# Altium PCB Scaffold.PcbDoc (part 1 of 3) (continued)
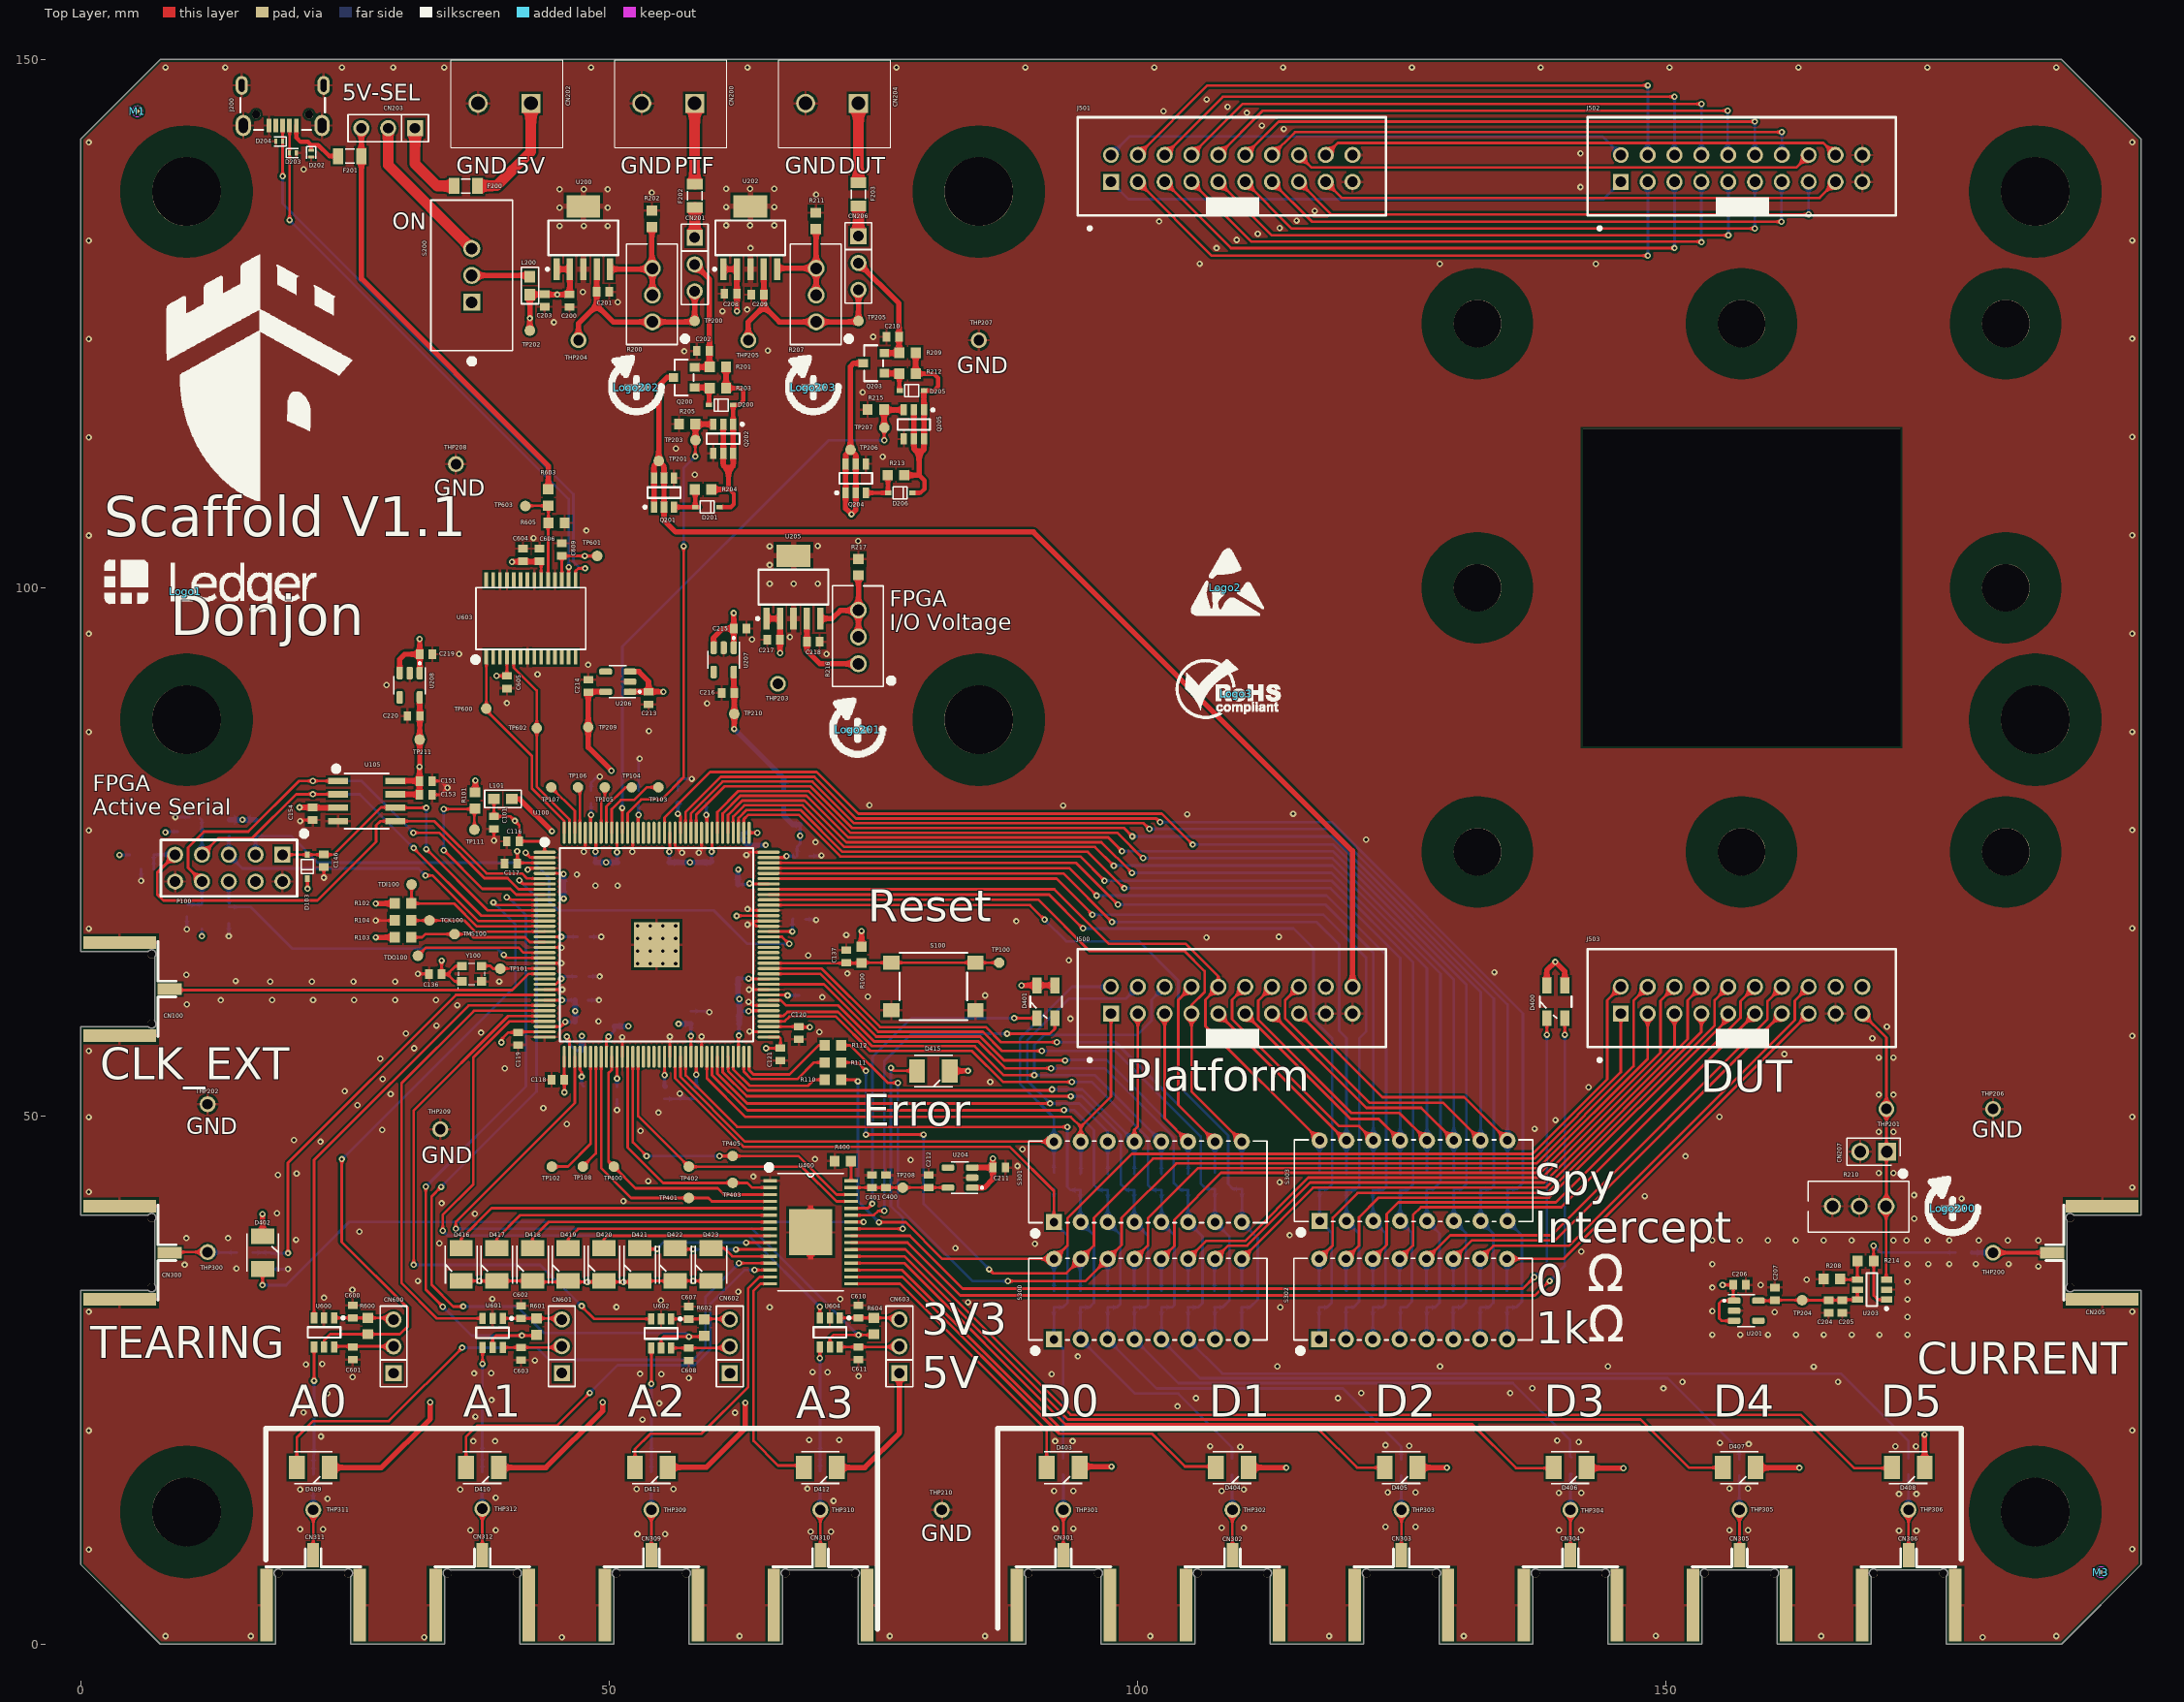
[diagram p0: Top Layer view]
## Components (designator, comment, footprint, x,y, rotation, side; value= is the part's Value field where it differs from the comment) (continued)
R315 "0 Ohm" RES0603 173,16.8 r270 bottom
R316 "1K" RES0603 109.9,32.65 r90 bottom
R317 "10KOhm" RES0603 109.9,43.85 r90 bottom
R318 "1K" RES0603 107.3,32.65 r90 bottom
R319 "10KOhm" RES0603 107.35,43.85 r90 bottom
R320 "1K" RES0603 104.8,32.65 r90 bottom
R321 "10KOhm" RES0603 104.8,43.75 r90 bottom
R322 "1K" RES0603 102.3,32.65 r90 bottom
R323 "10KOhm" RES0603 102.3,43.75 r90 bottom
R326 "1K" RES0603 124.9,32.65 r90 bottom
R327 "10KOhm" RES0603 124.9,43.75 r90 bottom
R330 "1K" RES0603 122.3,32.65 r90 bottom
R331 "10KOhm" RES0603 122.3,43.75 r90 bottom
R332 "1K" RES0603 119.8,32.65 r90 bottom
R333 "10KOhm" RES0603 119.8,43.75 r90 bottom
R334 "1K" RES0603 117.2,32.65 r90 bottom
R335 "10KOhm" RES0603 117.2,43.85 r90 bottom
R336 "0 Ohm" RES0603 53.975,15.5 r270 bottom
R337 "0 Ohm" RES0603 69.975,15.6 r270 bottom
R338 "10KOhm" RES0603 54.775,18 r180 bottom
R339 "10KOhm" RES0603 70.775,18 r180 bottom
R340 "1K" RES0603 135,32.65 r90 bottom
R341 "10KOhm" RES0603 135,43.85 r90 bottom
R342 "1K" RES0603 132.5,32.65 r90 bottom
R343 "10KOhm" RES0603 132.5,43.85 r90 bottom
R344 "0 Ohm" RES0603 22,15.3 r270 bottom
R345 "0 Ohm" RES0603 37.975,15.5 r270 bottom
R346 "1K" RES0603 129.9,32.65 r90 bottom
R347 "10KOhm" RES0603 129.96,43.85 r90 bottom
R348 "10KOhm" RES0603 22.8,17.9 r180 bottom
R349 "10KOhm" RES0603 38.775,18 r180 bottom
R350 "1K" RES0603 127.4,32.65 r90 bottom
R351 "10KOhm" RES0603 127.4,43.85 r90 bottom
R400 "4.75 KOhm" RES0603 72.125,45.725 r180 top
R600 "10KOhm" RES0603 27.175,30.1 r90 top
R601 "10KOhm" RES0603 43.15,30.05 r90 top
R602 "10KOhm" RES0603 59.025,29.95 r90 top
R603 "4.75 KOhm" RES0603 44.25,108.55 r90 top
R604 "10KOhm" RES0603 75.05,30.1 r90 top
R605 "10KOhm" RES0603 45.025,106.125 r180 top
S100 "Misc - Button - WURTH 430152080826" 430152080826 80.7,62.25 r0 top locked
S200 "30VDC - 4A" SWITCH_25136NAH 37,129.56 r180 top
S300 "Misc - DIP switch - 8 rows - TE connectivity - 1825057-7 -ADE0804" SWDIP16_300X3.51 101,32.649 r90 top
S301 "Misc - DIP switch - 8 rows - TE connectivity - 1825057-7 -ADE0804" SWDIP16_300X3.51 101,43.75 r90 top
S302 "Misc - DIP switch - 8 rows - TE connectivity - 1825057-7 -ADE0804" SWDIP16_300X3.51 126.1,32.649 r90 top
S303 "Misc - DIP switch - 8 rows - TE connectivity - 1825057-7 -ADE0804" SWDIP16_300X3.51 126.15,43.86 r90 top
TCK100 "Value" TP_001 33,68.5 r180 top
TDI100 "Value" TP_001 31.304,71.9 r180 top
TDO100 "Value" TP_001 31.9,65.15 r180 top
THP200 "Misc - Test pin - Through hole - Millmax - 6821-0-00-15-00-00-08-0" MILLMAX_6821-0-00-15-00-00-08-0 181,37.05 r90 top
THP201 "Misc - Test pin - Through hole - Millmax - 6821-0-00-15-00-00-08-0" MILLMAX_6821-0-00-15-00-00-08-0 170.91,50.65 r90 top
THP202 "Misc - Test pin - Through hole - Millmax - 6821-0-00-15-00-00-08-0" MILLMAX_6821-0-00-15-00-00-08-0 12,51.1 r90 top
THP203 "Misc - Test pin - Through hole - Millmax - 6821-0-00-15-00-00-08-0" MILLMAX_6821-0-00-15-00-00-08-0 65.975,90.9 r180 top
THP204 "Misc - Test pin - Through hole - Millmax - 6821-0-00-15-00-00-08-0" MILLMAX_6821-0-00-15-00-00-08-0 47.1,123.425 r270 top
THP205 "Misc - Test pin - Through hole - Millmax - 6821-0-00-15-00-00-08-0" MILLMAX_6821-0-00-15-00-00-08-0 63.175,123.425 r270 top
THP206 "Misc - Test pin - Through hole - Millmax - 6821-0-00-15-00-00-08-0" MILLMAX_6821-0-00-15-00-00-08-0 181,50.65 r270 top
THP207 "Misc - Test pin - Through hole - Millmax - 6821-0-00-15-00-00-08-0" MILLMAX_6821-0-00-15-00-00-08-0 85,123.425 r270 top
THP208 "Misc - Test pin - Through hole - Millmax - 6821-0-00-15-00-00-08-0" MILLMAX_6821-0-00-15-00-00-08-0 35.5,111.7 r270 top
THP209 "Misc - Test pin - Through hole - Millmax - 6821-0-00-15-00-00-08-0" MILLMAX_6821-0-00-15-00-00-08-0 34.025,48.725 r270 top
THP210 "Misc - Test pin - Through hole - Millmax - 6821-0-00-15-00-00-08-0" MILLMAX_6821-0-00-15-00-00-08-0 81.5,12.7 r270 top
THP300 "Misc - Test pin - Through hole - Millmax - 6821-0-00-15-00-00-08-0" MILLMAX_6821-0-00-15-00-00-08-0 12,37.1 r90 top
THP301 "Misc - Test pin - Through hole - Millmax - 6821-0-00-15-00-00-08-0" MILLMAX_6821-0-00-15-00-00-08-0 93,12.7 r90 top
THP302 "Misc - Test pin - Through hole - Millmax - 6821-0-00-15-00-00-08-0" MILLMAX_6821-0-00-15-00-00-08-0 109,12.7 r90 top
THP303 "Misc - Test pin - Through hole - Millmax - 6821-0-00-15-00-00-08-0" MILLMAX_6821-0-00-15-00-00-08-0 125,12.7 r90 top
THP304 "Misc - Test pin - Through hole - Millmax - 6821-0-00-15-00-00-08-0" MILLMAX_6821-0-00-15-00-00-08-0 141,12.7 r90 top
THP305 "Misc - Test pin - Through hole - Millmax - 6821-0-00-15-00-00-08-0" MILLMAX_6821-0-00-15-00-00-08-0 157,12.7 r90 top
THP306 "Misc - Test pin - Through hole - Millmax - 6821-0-00-15-00-00-08-0" MILLMAX_6821-0-00-15-00-00-08-0 173,12.7 r90 top
THP309 "Misc - Test pin - Through hole - Millmax - 6821-0-00-15-00-00-08-0" MILLMAX_6821-0-00-15-00-00-08-0 54,12.7 r90 top
THP310 "Misc - Test pin - Through hole - Millmax - 6821-0-00-15-00-00-08-0" MILLMAX_6821-0-00-15-00-00-08-0 70,12.7 r90 top
THP311 "Misc - Test pin - Through hole - Millmax - 6821-0-00-15-00-00-08-0" MILLMAX_6821-0-00-15-00-00-08-0 22,12.7 r90 top
THP312 "Misc - Test pin - Through hole - Millmax - 6821-0-00-15-00-00-08-0" MILLMAX_6821-0-00-15-00-00-08-0 38,12.8 r180 top
TMS100 "Value" TP_001 35.375,67.2 r180 top
TP100 "Value" TP_001 86.925,64.5 r90 top
TP101 "Value" TP_001 39.7,63.925 r90 top
TP102 "Value" TP_001 44.575,45.2 r90 top
TP103 "Value" TP_001 54.68,81.1 r90 top
TP104 "Value" TP_001 52.14,81.1 r90 top
TP105 "Value" TP_001 49.6,81.1 r90 top
TP106 "Value" TP_001 47.06,81.1 r90 top
TP107 "Value" TP_001 44.52,81.1 r90 top
TP108 "Value" TP_001 47.512,45.2 r90 top
TP111 "Value" TP_001 37.25,77.1 r90 top
TP200 "Value" TP_001 58.1,125.25 r180 top
TP201 "Value" TP_001 54.7,112 r0 top
TP202 "Value" TP_001 42.5,124.341 r0 top
TP203 "Value" TP_001 58.175,113.975 r270 top
TP204 "Value" TP_001 162.934,32.553 r270 top
TP205 "Value" TP_001 73.6,125.25 r180 top
TP206 "Value" TP_001 72.85,113.05 r0 top
TP207 "Value" TP_001 76.05,115.15 r0 top
TP208 "Value" TP_001 77.8,43.2 r180 top
TP209 "Value" TP_001 48.025,86.8 r180 top
TP210 "Value" TP_001 61.847,88.05 r180 top
TP211 "Value" TP_001 32.075,85.617 r180 top
TP400 "Value" TP_001 50.45,45.2 r90 top
TP401 "Value" TP_001 57.55,42.225 r90 top
TP402 "Value" TP_001 57.55,45.2 r90 top
TP403 "Value" TP_001 61.7,43.65 r90 top
TP405 "Value" TP_001 61.7,46.2 r90 top
TP600 "Value" TP_001 38.375,88.55 r270 top
TP601 "Value" TP_001 48.875,103 r270 top
TP602 "Value" TP_001 43.15,86.7 r270 top
TP603 "Value" TP_001 42.075,107.725 r270 top
U100 "FPGA - 1.2V - Altera - EP4CE22E22C6" EQFP144_M 54.5,66.2 r0 top locked
U105 "EPCS168N" 8-SOIC-M 27.05,79.8 r0 top
U200 "TL1963A" SOT223-6 47.56,133.125 r90 top locked value=ADJ
U201 "LDK130_33" SOT95P280X145-5L30 157.635,31.55 r270 top value=3.3V
U202 "TL1963A" SOT223-6 63.375,133.125 r90 top locked value=ADJ
U203 "ADA4895-1" SOT95P280X145-6N 169.535,33.55 r180 top
U204 "LDK130_33" SOT95P280X145-5L30 83.225,44.15 r90 top value=3.3V
U205 "TL1963A" SOT223-6 67.45,100.047 r90 top value=ADJ
U206 "LDK130_12" SOT95P280X145-5L30 50.825,91.1 r90 top value=1.2V
U207 "LDK130_25" SOT95P280X145-5L30 60.85,93.166 r180 top value=2.5V
U208 "LDK130_33" SOT95P280X145-5L30 31.125,90.766 r180 top value=3.3V
U400 "LED Driver - TLC5952" HTSSOP32 69.077,38.975 r0 top
U600 "#NAME?" SOT95P280X145-6N 23.025,29.5 r270 top
U601 "#NAME?" SOT95P280X145-6N 38.975,29.45 r270 top
U602 "#NAME?" SOT95P280X145-6N 54.925,29.4 r270 top
U603 "IC - USB-to-UART 1-CH 256Byte FIFO - 5V - 28-Pin SSOP" SSOP28DB 42.6,97.087 r0 top
U604 "#NAME?" SOT95P280X145-6N 70.9,29.5 r270 top
Y100 "Oscillator - 25MHz - 3.3V - HCMOS - ECS-2520S33-250-FN-TR" XTAL_2520 37,63.45 r180 top

## Footprints (in the part's own frame and the unit in brackets; to place one, negate y for a bottom-side part, rotate by r counter-clockwise, add the part's x,y. Pads: shape width x height; smd on the part's side, far side on the other; paste and mask are expansions set on the pad)
8-SOIC-M [mil]
  rect 75x24 smd paste+0 mask+0: 1(-106.5,75) 2(-106.5,25) 3(-106.5,-25) 4(-106.5,-75) 5(106.5,-75) 6(106.5,-25) 7(106.5,25) 8(106.5,75)
  silkscreen extent -123,-103 84,130, body extent -118,-96 118,96, height 69
0603 [mm] "Chip Capacitor; Body 1.6 x 0.8 mm (LxW typ)"
  rect 1.1x1 smd: 1(-0.85,0) 2(0.85,0)
  silkscreen extent -1.73,-0.82 1.73,0.82, body extent -0.8,-0.4 0.8,0.4, height 0.3
430152080826 [mm] "SMD Tact Switch, body 6x6mm"
  rect 1.55x1.3 smd: 1(-3.975,2.25) 2(-3.975,-2.25) 3(3.975,2.25) 4(3.975,-2.25)
  silkscreen extent -3.2,-3.2 3.2,3.2, body extent -4.5,-3.1 4.5,3.1, height 8.03
629105150521 [mm] "Micro USB 2.0 SMT Type B Horizontal 5 Contacts High Current"
  rect 0.45x1.3 smd: 1(-1.3,2.9) 2(-0.65,2.9) 3(0,2.9) 4(0.65,2.9) 5(1.3,2.9)
  round 0.8 hole 0.8 unplated: MH1(-2.5,1.85) MH2(2.5,1.85)
  oval 1.45x2 hole 0.85 slot 1.4 at 90 deg: Z1(-3.725,2.9) Z2(3.725,2.9)
  oval 1.15x1.8 hole 0.55 slot 1.2 at 90 deg: Z3(3.875,-0.9) Z4(-3.875,-0.9)
  silkscreen extent -4,0.3 4,3.3, body extent -4,-3.3 4,3.3, height 2.75
CAP0603 [mil] "Chip Capacitor, 2-Leads, Body 1.6x0.8mm, IPC Medium Density"
  rect 28x36 smd: 1(-23.5,0) 2(23.5,0)
  Top Layer pour cut-out: -10,20 10,20 10,-20 -10,-20
  body extent -33,-18 34,18, height 36
EQFP144_M [mm] "Thin QFP, 144-Leads, Body 20x20mm, Pitch 0.5mm, IPC Low Density"
  oval 2.1x0.3 smd: 1(-10.6,8.75) 2(-10.6,8.25) 3(-10.6,7.75) 4(-10.6,7.25) 5(-10.6,6.75) 6(-10.6,6.25) 7(-10.6,5.75) 8(-10.6,5.25) 9(-10.6,4.75) 10(-10.6,4.25) 11(-10.6,3.75) 12(-10.6,3.25) 13(-10.6,2.75) 14(-10.6,2.25) 15(-10.6,1.75) 16(-10.6,1.25) 17(-10.6,0.75) 18(-10.6,0.25) 19(-10.6,-0.25) 20(-10.6,-0.75) 21(-10.6,-1.25) 22(-10.6,-1.75) 23(-10.6,-2.25) 24(-10.6,-2.75) 25(-10.6,-3.25) 26(-10.6,-3.75) 27(-10.6,-4.25) 28(-10.6,-4.75) 29(-10.6,-5.25) 30(-10.6,-5.75) 31(-10.6,-6.25) 32(-10.6,-6.75) 33(-10.6,-7.25) 34(-10.6,-7.75) 35(-10.6,-8.25) 36(-10.6,-8.75) 73(10.6,-8.75) 74(10.6,-8.25) 75(10.6,-7.75) 76(10.6,-7.25) 77(10.6,-6.75) 78(10.6,-6.25) 79(10.6,-5.75) 80(10.6,-5.25) 81(10.6,-4.75) 82(10.6,-4.25) 83(10.6,-3.75) 84(10.6,-3.25) 85(10.6,-2.75) 86(10.6,-2.25) 87(10.6,-1.75) 88(10.6,-1.25) 89(10.6,-0.75) 90(10.6,-0.25) 91(10.6,0.25) 92(10.6,0.75) 93(10.6,1.25) 94(10.6,1.75) 95(10.6,2.25) 96(10.6,2.75) 97(10.6,3.25) 98(10.6,3.75) 99(10.6,4.25) 100(10.6,4.75) 101(10.6,5.25) 102(10.6,5.75) 103(10.6,6.25) 104(10.6,6.75) 105(10.6,7.25) 106(10.6,7.75) 107(10.6,8.25) 108(10.6,8.75)
  oval 0.3x2.1 smd: 37(-8.75,-10.6) 38(-8.25,-10.6) 39(-7.75,-10.6) 40(-7.25,-10.6) 41(-6.75,-10.6) 42(-6.25,-10.6) 43(-5.75,-10.6) 44(-5.25,-10.6) 45(-4.75,-10.6) 46(-4.25,-10.6) 47(-3.75,-10.6) 48(-3.25,-10.6) 49(-2.75,-10.6) 50(-2.25,-10.6) 51(-1.75,-10.6) 52(-1.25,-10.6) 53(-0.75,-10.6) 54(-0.25,-10.6) 55(0.25,-10.6) 56(0.75,-10.6) 57(1.25,-10.6) 58(1.75,-10.6) 59(2.25,-10.6) 60(2.75,-10.6) 61(3.25,-10.6) 62(3.75,-10.6) 63(4.25,-10.6) 64(4.75,-10.6) 65(5.25,-10.6) 66(5.75,-10.6) 67(6.25,-10.6) 68(6.75,-10.6) 69(7.25,-10.6) 70(7.75,-10.6) 71(8.25,-10.6) 72(8.75,-10.6) 109(8.75,10.6) 110(8.25,10.6) 111(7.75,10.6) 112(7.25,10.6) 113(6.75,10.6) 114(6.25,10.6) 115(5.75,10.6) 116(5.25,10.6) 117(4.75,10.6) 118(4.25,10.6) 119(3.75,10.6) 120(3.25,10.6) 121(2.75,10.6) 122(2.25,10.6) 123(1.75,10.6) 124(1.25,10.6) 125(0.75,10.6) 126(0.25,10.6) 127(-0.25,10.6) 128(-0.75,10.6) 129(-1.25,10.6) 130(-1.75,10.6) 131(-2.25,10.6) 132(-2.75,10.6) 133(-3.25,10.6) 134(-3.75,10.6) 135(-4.25,10.6) 136(-4.75,10.6) 137(-5.25,10.6) 138(-5.75,10.6) 139(-6.25,10.6) 140(-6.75,10.6) 141(-7.25,10.6) 142(-7.75,10.6) 143(-8.25,10.6) 144(-8.75,10.6)
  rect 4.3x4.3 smd: 145(0,0)
  silkscreen extent -10.85,-9.15 9.15,9.96, body extent -11,-11 11,11, height 1.65
FUSE_0805 [mm]
  rect 1x1.5 smd paste-0.15: 1(-1.1,0) 2(1.1,0)
  silkscreen extent -0.44,-0.68 0.44,0.68, body extent -1.06,-0.68 1.09,0.67, height 0.67
HTSSOP32 [mil]
  rect 50x12 smd: 1(-150.5,191.93) 2(-150.5,166.34) 3(-150.5,140.75) 4(-150.5,115.16) 5(-150.5,89.57) 6(-150.5,63.98) 7(-150.5,38.39) 8(-150.5,12.8) 9(-150.5,-12.8) 10(-150.5,-38.39) 11(-150.5,-63.98) 12(-150.5,-89.57) 13(-150.5,-115.16) 14(-150.5,-140.75) 15(-150.5,-166.34) 16(-150.5,-191.93) 17(150.5,-191.93) 18(150.5,-166.34) 19(150.5,-140.75) 20(150.5,-115.16) 21(150.5,-89.57) 22(150.5,-63.98) 23(150.5,-38.39) 24(150.5,-12.8) 25(150.5,12.8) 26(150.5,38.39) 27(150.5,63.98) 28(150.5,89.57) 29(150.5,115.16) 30(150.5,140.75) 31(150.5,166.34) 32(150.5,191.93)
  rect 161.81x171.65 smd: 33(0,0)
  Top Layer region: 13.78,-85.83 -13.78,-85.83 -13.78,-89.76 -9.84,-89.76 -9.84,-100.39 9.84,-100.39 9.84,-89.76 13.78,-89.76
  Top Layer region: 13.78,85.83 -13.78,85.83 -13.78,89.76 -9.84,89.76 -9.84,100.39 9.84,100.39 9.84,89.76 13.78,89.76
  silkscreen extent -165,-218 122,252, body extent -164,-219 164,219, height 67
KINGBRIGHT_AA3528 [mm]
  rect 1.5x2.2 smd: 1(-1.55,0) 2(1.55,0)
  silkscreen extent -1.8,-1.5 1.8,1.5, body extent -1.75,-1.4 1.75,1.4, height 1.9
"LOGO ESD" [mm]
  silkscreen extent -3.23,-2.59 3.66,3.68
"Logo ROHS" [mm]
  silkscreen extent -5.71,-2.31 4.22,3.28
LOGO_CLOCKWISE_INCREASE [mm]
  silkscreen extent -2.64,-2.6 2.69,3.04
"logo_Ledger_new - Horizontale" [mm]
  silkscreen extent -7.67,-1.89 12.37,3.04
MILLMAX_6821-0-00-15-00-00-08-0 [mm]
  round 1.5 hole 1 paste+0: 1(0,0)
  body extent -0.89,-0.89 0.89,0.89, height 8.13
MIRE [mm]
  round 0.4 smd paste-0.25 mask+0.05: 1(0,0)
  Top Layer keep-out circle w0.1: c0,0 r0.5
MOLEX_90120-0122 [mm] "Header, Vertical, 2.54 mm pitch; 0.65 mm lead width, 2 pins, 1 row, 2 pins per row, 5.08 mm L X 2.54 mm W X 8.50 mm H body"
  rect 1.68x1.68 hole 1.12 paste-1.68: 1(0,0)
  round 1.68 hole 1.12 paste-1.68: 2(2.54,0)
  silkscreen extent -1.27,-1.27 3.81,1.27, body extent -1.27,-1.25 3.81,1.25, height 9.29
MOLEX_90120-0123 [mil] "Header, Vertical Receptacle, 2.54 mm pitch; 0.25 mm lead width, 3 pins, 1 row, 3 pins per row, 7.62 mm L X 2.54 mm W X 8.50 mm H body"
  rect 60x60 hole 39.37: 1(-100,0)
  round 60 hole 39.37: 2(0,0) 3(100,0)
  silkscreen extent -150,-50 150,50, body extent -150,-49 150,49, height 366
PLCC-4_3528 [mm] "SMD Bi-color TOP LED, body 3.2x2.8mm"
  rect 1.5x0.9 smd: 1(1.55,0.85) 2(1.55,-0.85) 3(-1.55,0.85) 4(-1.55,-0.85)
  silkscreen extent -1.6,-1.5 0.5,1.5, body extent -1.75,-1.4 1.75,1.4, height 1.9
POT_3296W [mm]
  round 1.6 hole 1.1: 1(-2.54,0.01) 2(0,0.01) 3(2.54,0.01)
  silkscreen extent -4.69,-3.33 4.84,2.46, body extent -4.7,-2.35 4.83,2.47, height 11.67
RES0603 [mm] "Chip Resistor, 2-Leads, Body 1.6x0.8mm, IPC Medium Density"
  rect 0.95x1 smd: 1(-0.775,0) 2(0.775,0)
  Top Layer pour cut-out: -0.254,0.508 0.254,0.508 0.254,-0.508 -0.254,-0.508
  body extent -0.8,-0.4 0.8,0.4, height 0.45
SAMTEC_HTSS-110-01-G-D [mil]
  rect 59.06x59.06 hole 39.37: 1(0,0)
  round 59.06 hole 39.37: 2(0,100) 15(700,0) 16(700,100)
  round 60 hole 39.37: 3(100,0) 4(100,100) 5(200,0) 6(200,100) 7(300,0) 8(300,100) 9(400,0) 10(400,100) 11(500,0) 12(500,100) 13(600,0) 14(600,100) 17(800,0) 18(800,100) 19(900,0) 20(900,100)
  silkscreen extent -124,-179 1025,241, body extent -124,-126 1026,239, height 365
SAMTEC_SMA-J-P-X-ST-EM3 [mm]
  round 0.8 hole 0.8 unplated paste-0.15: 3(-3.31,3.181) 4(3.31,3.181)
  rect 1.186x6.846 smd mask+0.05: G1(-4.407,0.158) G2(4.407,0.158)
  rect 1.1x2.3 smd mask+0.05: S1(0,4.886)
  silkscreen extent -4.5,3.78 4.5,5.48, body extent -4.5,-9.52 4.5,5.48, height 4.1
SAMTEC_TSW-105-07-G-D [mil]
  rect 59.06x59.06 hole 39.37: 1(-200,-50)
  round 59.06 hole 39.37: 2(-200,50)
  round 60 hole 39.37: 3(-100,-50) 4(-100,50) 5(0,-50) 6(0,50) 7(100,-50) 8(100,50) 9(200,-50) 10(200,50)
  silkscreen extent -291,-139 253,105, body extent -250,-100 250,100, height 330
SOD323/A [mm] "SOD-323, 2-Leads, Body 1.8x1.45mm, Pitch 2.54mm"
  rect 0.6x0.45 smd paste-0.1 mask+0: 1(1.143,0) 2(-1.143,0)
  silkscreen extent -0.67,-0.57 0.67,0.57, body extent -1.23,-0.62 1.27,0.63, height 0.95
SOD882 [mm] "Diode, Dual Flat No-Lead (DFN 2 Pin); 2 pin, 1.00 mm L X 0.60 mm W X 0.40 mm H body"
  rect 0.28x0.52 smd: A(0.325,0) C(-0.325,0)
  silkscreen extent -0.64,-0.44 0.5,0.44, body extent -0.51,-0.31 0.51,0.31, height 0.49
SOT23 [mm] "SOT-23; 3 Leads; Body 2.2 x 1.35 mm"
  rect 0.8x0.9 smd: 1(-0.95,-1) 2(0.95,-1) 3(0,1)
  silkscreen extent -1.7,-0.9 1.7,0.9, body extent -1.52,-1.27 1.48,1.28, height 1
SOT95P280X145-5L30 [mm] "Small Outline Transistor (SOT23), 0.95 mm pitch; 5 pin, 2.95 mm L X 1.60 mm W X 1.45 mm H body"
  rrect50% 0.6x1.2 smd: 1(-0.95,-1.15) 2(0,-1.15) 3(0.95,-1.15) 4(0.95,1.15) 5(-0.95,1.15)
  silkscreen extent -1.5,-2.17 1.5,0.83, body extent -1.5,-1.5 1.5,1.5, height 1.3
SOT95P280X145-6N [mm] "SOT23, 6-Leads, Body 2,90x2,80mm, Pitch 0,95mm, IPC Medium Density"
  rect 1.05x0.6 smd: 1(-1.375,0.95) 2(-1.375,0) 3(-1.375,-0.95) 4(1.375,-0.95) 5(1.375,0) 6(1.375,0.95)
  silkscreen extent -1.5,-1.55 0.5,1.92, body extent -1.5,-1.53 1.5,1.53, height 1.45
SOT223-6 [mm] "SOT223, 6-Leads, Body 6,50x7,06mm (avg), Pitch 1,27mm, IPC Medium Density"
  rect 2.1x0.6 smd: 1(-2.975,2.54) 2(-2.975,1.27) 3(-2.975,0) 4(-2.975,-1.27) 5(-2.975,-2.54)
  rect 2.1x3.2 smd: 6(2.975,0)
  silkscreen extent -3.1,-3.3 1.65,3.51, body extent -3.53,-3.27 3.53,3.27, height 1.8
SSOP28DB [mm]
  rect 0.348x1.397 smd: 1(-4.225,-3.656) 2(-3.575,-3.656) 3(-2.925,-3.656) 4(-2.275,-3.656) 5(-1.625,-3.656) 6(-0.975,-3.656) 7(-0.325,-3.656) 8(0.325,-3.656) 9(0.975,-3.656) 10(1.625,-3.656) 11(2.275,-3.656) 12(2.925,-3.656) 13(3.575,-3.656) 14(4.225,-3.656) 15(4.225,3.656) 16(3.575,3.656) 17(2.925,3.656) 18(2.275,3.656) 19(1.625,3.656) 20(0.975,3.656) 21(0.325,3.656) 22(-0.325,3.656) 23(-0.975,3.656) 24(-1.625,3.656) 25(-2.275,3.656) 26(-2.925,3.656) 27(-3.575,3.656) 28(-4.225,3.656)
  silkscreen extent -5.49,-4.15 5.2,2.93, body extent -5.24,-3.9 5.26,3.9, height 2
SWDIP16_300X3.51 [mil]
  rect 60x60 / inner round 60 / far side rect 60x60 hole 32 paste+0 mask+0: 1(-150,350)
  round 60 hole 32 paste+0 mask+0: 2(-150,250) 3(-150,150) 4(-150,50) 5(-150,-50) 6(-150,-150) 7(-150,-250) 8(-150,-350) 9(150,-350) 10(150,-250) 11(150,-150) 12(150,-50) 13(150,50) 14(150,150) 15(150,250) 16(150,350)
  silkscreen extent -202,-444 153,444, body extent -165,-434 165,444, height 228
SWITCH_25136NAH [mil]
  rect 64x64 / inner round 60 / far side rect 64x64 hole 44: 1(0,100)
  round 64 / inner round 60 / far side round 64 hole 44: 2(0,0) 3(0,-100)
  silkscreen extent -153,-280 153,330, body extent -148,-278 148,278, height 419
TP_001 [mm] "Test Point; 1 pin, 1.00 mm D X 0.01 mm H body"
  round 1 smd paste-0.5: 1(0,0)
WURTH_691213710002 [mm]
  rect 1.8x1.8 hole 1.3 paste-1.8: 1(0,0)
  round 1.8 hole 1.3 paste-1.8: 2(5,0)
  silkscreen extent -3.04,-4.1 7.56,4.2, body extent -3.04,-4.1 7.56,4.2, height 10
XTAL_2520 [mm]
  rect 0.9x0.8 smd: 1(0.925,0.725) 2(-0.925,0.725) 3(-0.925,-0.725) 4(0.925,-0.725)
  silkscreen extent -1.25,-1 1.32,1.37, body extent -1.25,-1 1.25,1, height 1